# KiCad board PSEC5_Board.kicad_pcb
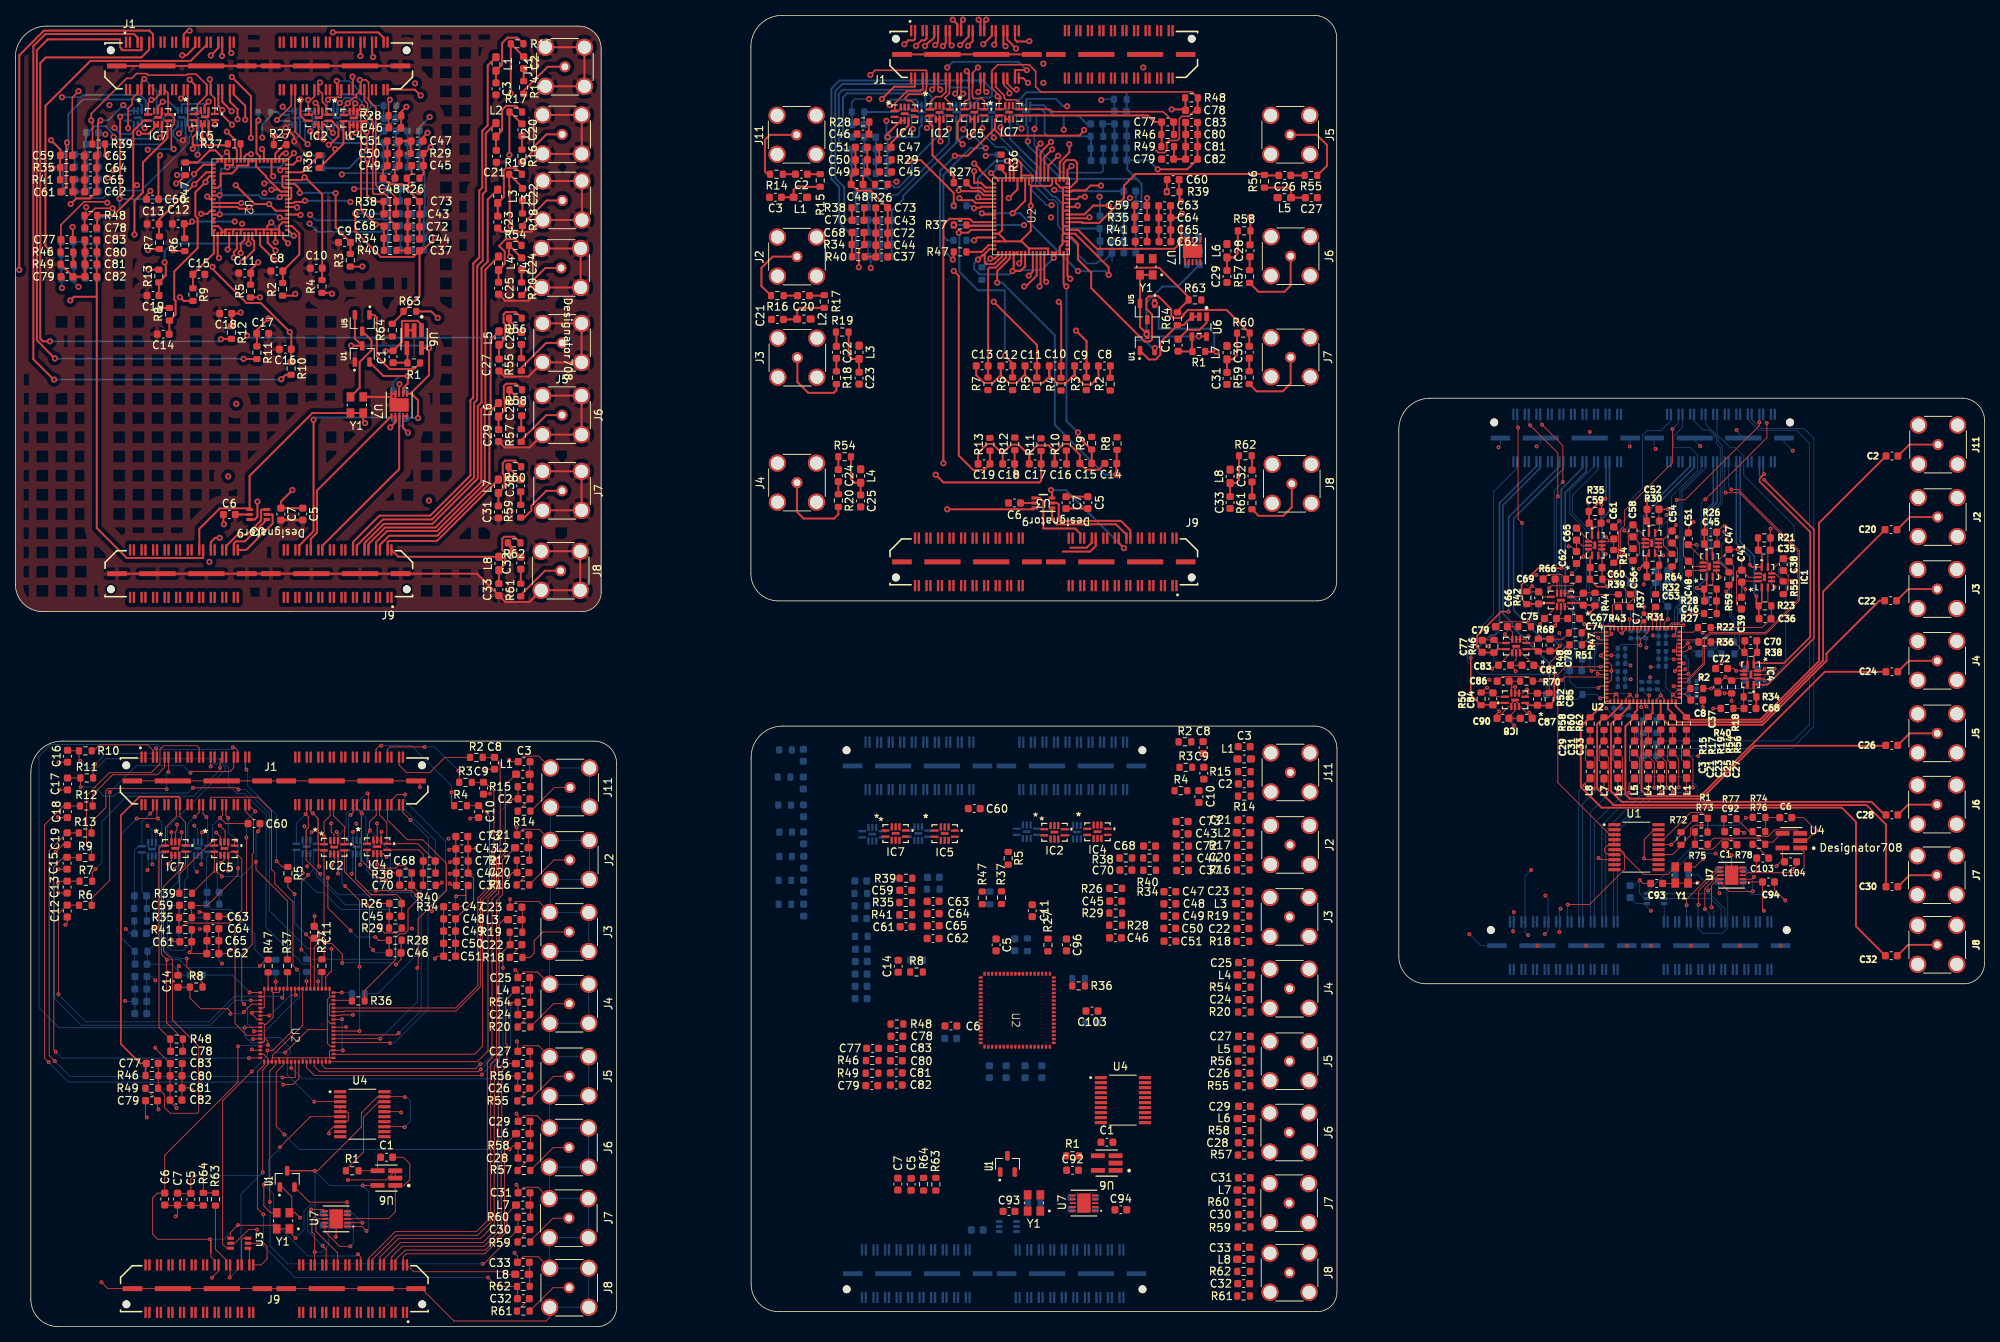
[diagram p0: board, top side]
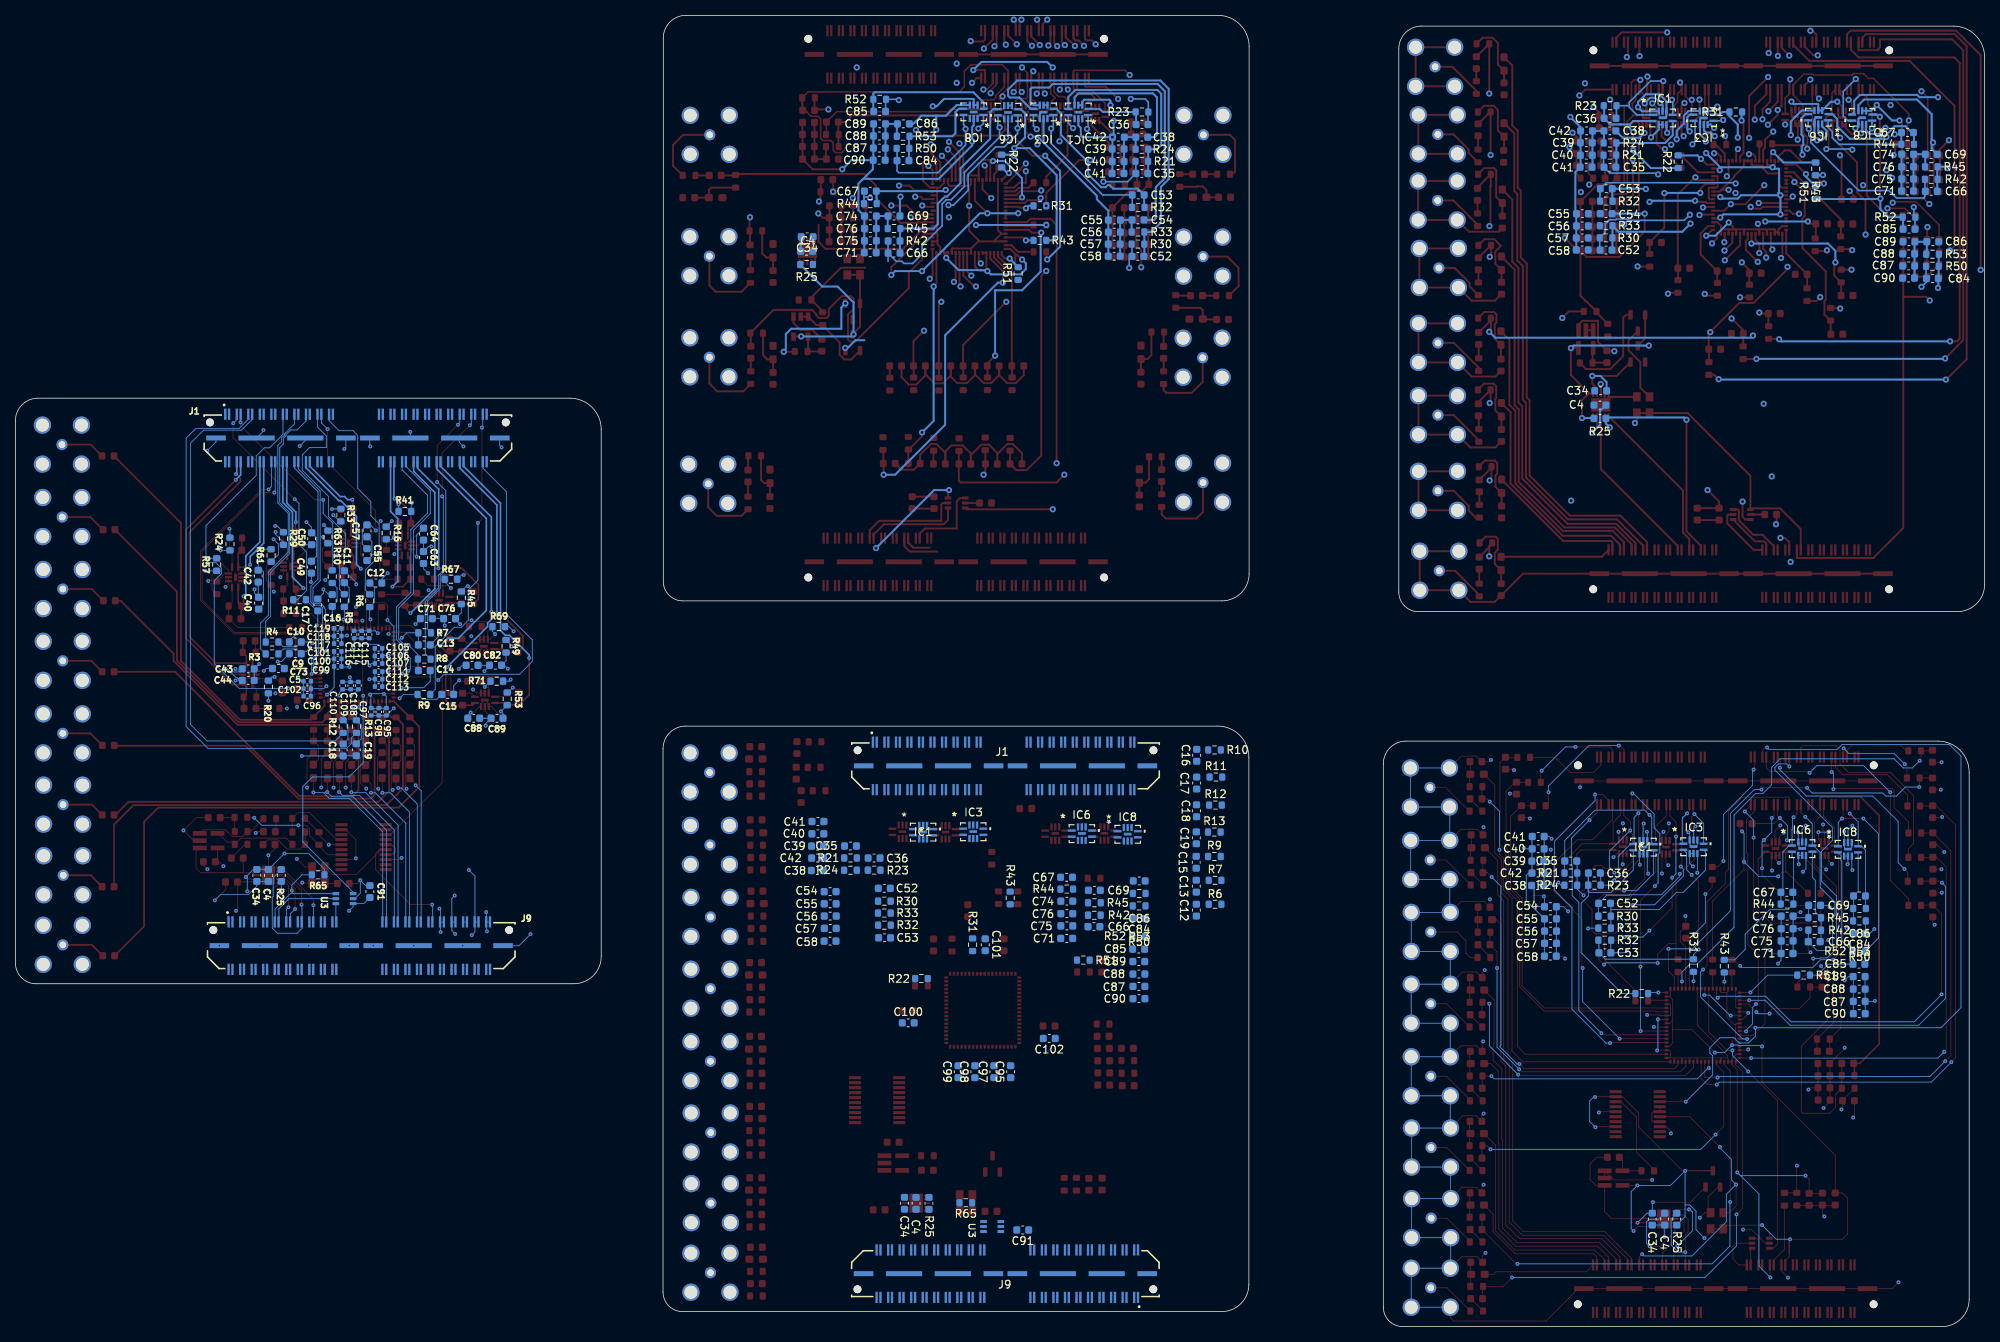
[diagram p1: board, bottom side, seen from below]

Outline 256.15 x 170.65 mm; copper layers: Top, In1.Cu, In2.Cu, Bottom. Coordinates in mm from the lower left corner of the outline.
Outline path: 0,165.19 arc(1.19,168.06) 4.06,169.25 73.25,169.25 arc(75.34,168.39) 76.2,166.3 76.2,95.59 arc(75.46,93.79) 73.66,93.05 3.56,93.05 arc(1.04,94.09) 0,96.61 0,165.19 ; 2.01,72.14 arc(3.2,75.01) 6.08,76.2 75.26,76.2 arc(77.35,75.34) 78.21,73.25 78.21,2.54 arc(77.47,0.74) 75.67,0 5.57,0 arc(3.05,1.04) 2.01,3.56 2.01,72.14 ; 95.67,166.58 arc(96.86,169.46) 99.74,170.65 168.92,170.65 arc(171.01,169.78) 171.87,167.7 171.87,96.99 arc(171.13,95.19) 169.33,94.45 99.23,94.45 arc(96.71,95.49) 95.67,98 95.67,166.58 ; 95.7,74.09 arc(96.89,76.96) 99.77,78.15 168.96,78.15 arc(171.04,77.29) 171.9,75.21 171.9,4.49 arc(171.16,2.7) 169.36,1.95 99.26,1.95 arc(96.75,3) 95.7,5.51 95.7,74.09 ; 179.95,116.76 arc(181.14,119.63) 184.01,120.82 253.2,120.82 arc(255.29,119.96) 256.15,117.88 256.14,47.31 arc(255.42,45.48) 253.64,44.62 183.5,44.62 arc(180.99,45.67) 179.95,48.18 179.95,116.76
Stack: Top 0.035mm / dielectric 0.1mm FR4 er 4.5 / In1.Cu 0.035mm / dielectric 1.24mm FR4 er 4.5 / In2.Cu 0.035mm / dielectric 0.1mm FR4 er 4.5 / Bottom 0.035mm

## Placement (name value [footprint] x y rotation side)
C1  C  [C_0603_1608Metric]  141.98 24 180 top
C1#2  C  [C_0603_1608Metric]  48.28 22.04 180 top
C1#3  C  [C_0603_1608Metric]  151.25 127.72 270 top
C1#4  C  [C_0603_1608Metric]  49.13 126.22 270 top
C1#5  C  [C_0603_1608Metric]  223.16 62.72 0 top
C2  100n  [C_0603_1608Metric]  102.24 149.97 180 top
C2#2  100n  [C_0603_1608Metric]  159.86 70.64 0 top
C2#3  100n  [C_0603_1608Metric]  66.11 164.5 270 top
C2#4  100n  [C_0603_1608Metric]  66.16 68.68 0 top
C2#5  100n  [C_0603_1608Metric]  244.1 113.31 0 top
C3  100n  [C_0603_1608Metric]  159.84 75.48 180 top
C3#2  100n  [C_0603_1608Metric]  62.51 161.08 270 top
C3#3  100n  [C_0603_1608Metric]  66.17 73.52 180 top
C3#4  100n  [C_0603_1608Metric]  98.86 146.97 180 top
C3#5  100n  [C_0603_1608Metric]  217.36 75.45 270 top
C4  0.1 uf  [C_0603_1608Metric]  50.04 119.92 180 bottom
C4#2  0.1 uf  [C_0603_1608Metric]  153.24 139.95 180 bottom
C4#3  0.1 uf  [C_0603_1608Metric]  139 16.04 90 bottom
C4#4  0.1 uf  [C_0603_1608Metric]  41.61 13.99 90 bottom
C4#5  0.1 uf  [C_0603_1608Metric]  223.24 58.71 90 bottom
C5  700n  [C_0603_1608Metric]  139.5 107.24 270 top
C5#2  400n  [C_0603_1608Metric]  127.57 49.68 270 top
C5#3  700n  [C_0603_1608Metric]  37.38 105.74 270 top
C5#4  700n  [C_0603_1608Metric]  22.82 16.57 270 top
C5#5  700n  [C_0603_1608Metric]  116.52 18.52 270 top
C5#6  330n  [C_0402_1005Metric]  218.19 84 180 bottom
C6  C  [C_0603_1608Metric]  230.29 66.25 0 top
C6#2  400n  [C_0603_1608Metric]  19.43 16.61 270 top
C6#3  400n  [C_0603_1608Metric]  121.69 39.13 180 top
C6#4  400n  [C_0603_1608Metric]  129.95 107.19 0 top
C6#5  400n  [C_0603_1608Metric]  27.83 105.69 0 top
C7  100n  [C_0603_1608Metric]  21.09 16.6 270 top
C7#2  100n  [C_0603_1608Metric]  114.79 18.55 270 top
C7#3  100n  [C_0603_1608Metric]  136.66 107.24 270 top
C7#4  100n  [C_0603_1608Metric]  34.54 105.74 270 top
C7#5  10p  [C_0402_1005Metric]  211.84 92.3 90 top
C8  C  [C_0603_1608Metric]  218.71 81.55 0 top
C8#2  C  [C_0603_1608Metric]  141.66 125.03 180 top
C8#3  C  [C_0603_1608Metric]  154.49 75.35 270 top
C8#4  C  [C_0603_1608Metric]  34.01 137.37 180 top
C8#5  C  [C_0603_1608Metric]  62.32 73.32 270 top
C9  C  [C_0603_1608Metric]  154.59 72.03 270 top
C9#2  C  [C_0603_1608Metric]  42.81 141.1 180 top
C9#3  C  [C_0603_1608Metric]  138.56 125.03 180 top
C9#4  C  [C_0603_1608Metric]  60.89 70.07 270 top
C9#5  C  [C_0603_1608Metric]  219.74 87.57 0 bottom
C10  C  [C_0603_1608Metric]  135.26 125.03 180 top
C10#2  C  [C_0603_1608Metric]  39.14 137.75 180 top
C10#3  C  [C_0603_1608Metric]  60.25 67.02 270 top
C10#4  C  [C_0603_1608Metric]  153.95 68.98 270 top
C10#5  C  [C_0603_1608Metric]  219.74 89.1 0 bottom
C11  C  [C_0603_1608Metric]  132.11 125.03 180 top
C11#2  C  [C_0603_1608Metric]  38.87 51.32 90 top
C11#3  C  [C_0603_1608Metric]  29.84 137.1 180 top
C11#4  C  [C_0603_1608Metric]  132.27 54.13 90 top
C11#5  C  [C_0603_1608Metric]  213.36 97.6 90 bottom
C12  C  [C_0603_1608Metric]  128.96 125.03 180 top
C12#2  C  [C_0603_1608Metric]  6.74 54.08 270 top
C12#3  C  [C_0603_1608Metric]  21.19 143.52 180 top
C12#4  C  [C_0603_1608Metric]  102.53 54.2 270 bottom
C12#5  C  [C_0603_1608Metric]  209.26 96.77 180 bottom
C13  C  [C_0603_1608Metric]  125.76 125.03 180 top
C13#2  C  [C_0603_1608Metric]  6.73 57.2 270 top
C13#3  C  [C_0603_1608Metric]  17.91 143.5 180 top
C13#4  C  [C_0603_1608Metric]  202.96 88.72 180 bottom
C13#5  C  [C_0603_1608Metric]  102.54 57.32 270 bottom
C14  C  [C_0603_1608Metric]  19.22 129.16 180 top
C14#2  C  [C_0603_1608Metric]  114.84 46.9 90 top
C14#3  C  [C_0603_1608Metric]  142.48 112.33 180 top
C14#4  C  [C_0603_1608Metric]  21.14 44.95 90 top
C14#5  C  [C_0603_1608Metric]  202.96 85.37 180 bottom
C15  C  [C_0603_1608Metric]  23.86 136.95 0 top
C15#2  C  [C_0603_1608Metric]  139.23 112.33 180 top
C15#3  C  [C_0603_1608Metric]  6.72 60.31 270 top
C15#4  C  [C_0603_1608Metric]  199.91 82.27 180 bottom
C15#5  C  [C_0603_1608Metric]  102.55 60.43 270 bottom
C16  C  [C_0603_1608Metric]  6.78 74.23 270 top
C16#2  C  [C_0603_1608Metric]  35.11 127.2 180 top
C16#3  C  [C_0603_1608Metric]  135.96 112.28 180 top
C16#4  C  [C_0603_1608Metric]  214.94 94.5 90 bottom
C16#5  C  [C_0603_1608Metric]  102.49 74.35 270 bottom
C17  C  [C_0603_1608Metric]  132.65 112.28 180 top
C17#2  C  [C_0603_1608Metric]  32.16 129.25 0 top
C17#3  C  [C_0603_1608Metric]  6.78 70.62 270 top
C17#4  C  [C_0603_1608Metric]  216.81 93.92 90 bottom
C17#5  C  [C_0603_1608Metric]  102.49 70.74 270 bottom
C18  C  [C_0603_1608Metric]  129.2 112.28 180 top
C18#2  C  [C_0603_1608Metric]  6.76 67.01 270 top
C18#3  C  [C_0603_1608Metric]  27.36 131.85 180 top
C18#4  C  [C_0603_1608Metric]  102.51 67.13 270 bottom
C18#5  C  [C_0603_1608Metric]  213.51 75.05 270 bottom
C19  C  [C_0603_1608Metric]  126 112.28 180 top
C19#2  C  [C_0603_1608Metric]  17.9 134.18 180 top
C19#3  C  [C_0603_1608Metric]  6.74 63.49 270 top
C19#4  C  [C_0603_1608Metric]  102.54 63.61 270 bottom
C19#5  C  [C_0603_1608Metric]  211.81 75.07 270 bottom
C20  100n  [C_0603_1608Metric]  159.73 61.05 0 top
C20#2  100n  [C_0603_1608Metric]  66.03 59.09 0 top
C20#3  100n  [C_0603_1608Metric]  65.89 155.75 270 top
C20#4  100n  [C_0603_1608Metric]  243.97 103.72 0 top
C20#5  100n  [C_0603_1608Metric]  102.52 134.17 180 top
C21  100n  [C_0603_1608Metric]  62.56 152.31 270 top
C21#2  100n  [C_0603_1608Metric]  99.13 131.07 180 top
C21#3  100n  [C_0603_1608Metric]  66.02 64 180 top
C21#4  100n  [C_0603_1608Metric]  159.79 65.95 180 top
C21#5  100n  [C_0603_1608Metric]  215.56 75.45 270 top
C22  100n  [C_0603_1608Metric]  243.93 94.48 0 top
C22#2  100n  [C_0603_1608Metric]  159.68 51.81 0 top
C22#3  100n  [C_0603_1608Metric]  65.96 147.35 270 top
C22#4  100n  [C_0603_1608Metric]  65.13 49.71 0 top
C22#5  100n  [C_0603_1608Metric]  106.8 126.79 270 top
C23  100n  [C_0603_1608Metric]  214.01 75.45 270 top
C23#2  100n  [C_0603_1608Metric]  62.74 143.74 270 top
C23#3  100n  [C_0603_1608Metric]  65.11 54.58 180 top
C23#4  100n  [C_0603_1608Metric]  159.69 56.68 180 top
C23#5  100n  [C_0603_1608Metric]  109.74 123.44 270 top
C24  100n  [C_0603_1608Metric]  159.84 42.55 0 top
C24#2  100n  [C_0603_1608Metric]  66.14 40.6 0 top
C24#3  100n  [C_0603_1608Metric]  244.08 85.22 0 top
C24#4  100n  [C_0603_1608Metric]  107.05 110.75 270 top
C24#5  100n  [C_0603_1608Metric]  65.85 138.31 270 top
C25  100n  [C_0603_1608Metric]  62.85 135.14 270 top
C25#2  100n  [C_0603_1608Metric]  109.95 107.45 270 top
C25#3  100n  [C_0603_1608Metric]  212.41 75.45 270 top
C25#4  100n  [C_0603_1608Metric]  159.87 47.38 180 top
C25#5  100n  [C_0603_1608Metric]  66.13 45.43 180 top
C26  100n  [C_0603_1608Metric]  244.06 75.65 0 top
C26#2  100n  [C_0603_1608Metric]  165.11 149.82 0 top
C26#3  100n  [C_0603_1608Metric]  65.81 128.6 270 top
C26#4  100n  [C_0603_1608Metric]  159.82 32.98 0 top
C26#5  100n  [C_0603_1608Metric]  66.12 31.02 0 top
C27  100n  [C_0603_1608Metric]  210.61 75.45 270 top
C27#2  100n  [C_0603_1608Metric]  159.87 37.78 180 top
C27#3  100n  [C_0603_1608Metric]  62.91 125.14 270 top
C27#4  100n  [C_0603_1608Metric]  66.13 35.82 180 top
C27#5  100n  [C_0603_1608Metric]  168.57 146.92 0 top
C28  100n  [C_0603_1608Metric]  159.84 23.93 0 top
C28#2  100n  [C_0603_1608Metric]  160.59 140.01 270 top
C28#3  100n  [C_0603_1608Metric]  66.15 21.93 0 top
C28#4  100n  [C_0603_1608Metric]  65.85 119.32 270 top
C28#5  100n  [C_0603_1608Metric]  244.09 66.6 0 top
C29  100n  [C_0603_1608Metric]  157.6 136.66 270 top
C29#2  100n  [C_0603_1608Metric]  208.44 75.47 270 top
C29#3  100n  [C_0603_1608Metric]  159.87 28.67 180 top
C29#4  100n  [C_0603_1608Metric]  62.85 115.97 270 top
C29#5  100n  [C_0603_1608Metric]  66.17 26.71 180 top
C30  100n  [C_0603_1608Metric]  160.49 126.81 270 top
C30#2  100n  [C_0603_1608Metric]  159.85 14.59 0 top
C30#3  100n  [C_0603_1608Metric]  65.73 109.42 270 top
C30#4  100n  [C_0603_1608Metric]  66.15 12.63 0 top
C30#5  100n  [C_0603_1608Metric]  244.09 57.26 0 top
C31  100n  [C_0603_1608Metric]  62.83 106.02 270 top
C31#2  100n  [C_0603_1608Metric]  66.16 17.41 180 top
C31#3  100n  [C_0603_1608Metric]  157.6 123.4 270 top
C31#4  100n  [C_0603_1608Metric]  206.64 75.45 270 top
C31#5  100n  [C_0603_1608Metric]  159.86 19.37 180 top
C32  100n  [C_0603_1608Metric]  159.77 5.6 0 top
C32#2  100n  [C_0603_1608Metric]  66.07 3.64 0 top
C32#3  100n  [C_0603_1608Metric]  160.85 110.7 270 top
C32#4  100n  [C_0603_1608Metric]  65.74 99.37 270 top
C32#5  100n  [C_0603_1608Metric]  244.01 48.27 0 top
C33  100n  [C_0603_1608Metric]  158 107.25 270 top
C33#2  100n  [C_0603_1608Metric]  66.07 8.37 180 top
C33#3  100n  [C_0603_1608Metric]  62.89 95.91 270 top
C33#4  100n  [C_0603_1608Metric]  204.84 75.45 270 top
C33#5  100n  [C_0603_1608Metric]  159.77 10.33 180 top
C34  C  [C_0603_1608Metric]  153.16 141.83 0 bottom
C34#2  C  [C_0603_1608Metric]  140.5 16.05 270 bottom
C34#3  C  [C_0603_1608Metric]  224.74 58.72 270 bottom
C34#4  C  [C_0603_1608Metric]  43.23 13.99 270 bottom
C34#5  C  [C_0603_1608Metric]  49.95 121.79 0 bottom
C35  1.3pF  [C_0603_1608Metric]  227.48 101.05 0 top
C35#2  1.3pF  [C_0603_1608Metric]  109.63 150.07 180 bottom
C35#3  1.3pF  [C_0603_1608Metric]  147.53 62.55 180 bottom
C35#4  1.3pF  [C_0603_1608Metric]  48.74 150.88 180 bottom
C35#5  1.3pF  [C_0603_1608Metric]  53.83 60.59 180 bottom
C36  1.3pF  [C_0603_1608Metric]  227.58 92.12 180 top
C36#2  1.3pF  [C_0603_1608Metric]  144.46 60.98 180 bottom
C36#3  1.3pF  [C_0603_1608Metric]  109.6 156.44 180 bottom
C36#4  1.3pF  [C_0603_1608Metric]  48.72 157.25 180 bottom
C36#5  1.3pF  [C_0603_1608Metric]  50.76 59.02 180 bottom
C37  0.1u  [C_0603_1608Metric]  151.82 59.37 180 top
C37#2  0.1u  [C_0603_1608Metric]  221.44 83.25 270 top
C37#3  0.1u  [C_0603_1608Metric]  51.8 140.02 180 top
C37#4  0.1u  [C_0603_1608Metric]  58.12 57.41 180 top
C37#5  0.1u  [C_0603_1608Metric]  112.69 139.2 180 top
C38  0.1u  [C_0603_1608Metric]  229.96 99.17 270 top
C38#2  0.1u  [C_0603_1608Metric]  109.63 154.8 0 bottom
C38#3  0.1u  [C_0603_1608Metric]  48.74 155.61 0 bottom
C38#4  0.1u  [C_0603_1608Metric]  58.15 57.4 180 bottom
C38#5  0.1u  [C_0603_1608Metric]  151.85 59.36 180 bottom
C39  1000pF  [C_0603_1608Metric]  224.51 94.15 270 top
C39#2  1000pF  [C_0603_1608Metric]  58.12 60.58 0 bottom
C39#3  1000pF  [C_0603_1608Metric]  112.71 153.26 0 bottom
C39#4  1000pF  [C_0603_1608Metric]  151.81 62.54 0 bottom
C39#5  1000pF  [C_0603_1608Metric]  51.81 154.07 0 bottom
C40  0.1uF  [C_0603_1608Metric]  51.81 152.44 0 bottom
C40#2  0.1uF  [C_0603_1608Metric]  151.77 64.14 0 bottom
C40#3  0.1uF  [C_0603_1608Metric]  224.51 94.15 270 bottom
C40#4  0.1uF  [C_0603_1608Metric]  58.07 62.18 0 bottom
C40#5  0.1uF  [C_0603_1608Metric]  112.71 151.62 0 bottom
C41  0.1uF  [C_0603_1608Metric]  224.56 97.67 90 top
C41#2  0.1uF  [C_0603_1608Metric]  151.76 65.74 0 bottom
C41#3  0.1uF  [C_0603_1608Metric]  58.06 63.78 0 bottom
C41#4  0.1uF  [C_0603_1608Metric]  51.84 150.89 0 bottom
C41#5  0.1uF  [C_0603_1608Metric]  112.73 150.07 0 bottom
C42  1000pF  [C_0603_1608Metric]  58.1 59.02 0 bottom
C42#2  1000pF  [C_0603_1608Metric]  224.56 97.67 90 bottom
C42#3  1000pF  [C_0603_1608Metric]  51.78 155.61 0 bottom
C42#4  1000pF  [C_0603_1608Metric]  151.8 60.98 0 bottom
C42#5  1000pF  [C_0603_1608Metric]  112.68 154.8 0 bottom
C43  0.1uF  [C_0603_1608Metric]  112.74 143.93 0 top
C43#2  0.1uF  [C_0603_1608Metric]  151.77 64.14 0 top
C43#3  0.1uF  [C_0603_1608Metric]  51.85 144.74 0 top
C43#4  0.1uF  [C_0603_1608Metric]  58.07 62.18 0 top
C43#5  0.1uF  [C_0603_1608Metric]  225.86 85.6 0 bottom
C44  1000pF  [C_0603_1608Metric]  58.11 59.02 0 top
C44#2  1000pF  [C_0603_1608Metric]  151.81 60.98 0 top
C44#3  1000pF  [C_0603_1608Metric]  112.69 140.73 0 top
C44#4  1000pF  [C_0603_1608Metric]  51.8 141.54 0 top
C44#5  1000pF  [C_0603_1608Metric]  225.86 84.1 0 bottom
C45  1.3pF  [C_0603_1608Metric]  52.31 151.09 0 top
C45#2  1.3pF  [C_0603_1608Metric]  220.51 103.39 0 top
C45#3  1.3pF  [C_0603_1608Metric]  113.2 150.28 0 top
C45#4  1.3pF  [C_0603_1608Metric]  143.13 55.37 180 top
C45#5  1.3pF  [C_0603_1608Metric]  49.43 53.41 180 top
C46  1.3pF  [C_0603_1608Metric]  49.39 48.64 180 top
C46#2  1.3pF  [C_0603_1608Metric]  220.49 94.44 180 top
C46#3  1.3pF  [C_0603_1608Metric]  110.25 155.2 180 top
C46#4  1.3pF  [C_0603_1608Metric]  143.09 50.6 180 top
C46#5  1.3pF  [C_0603_1608Metric]  49.36 156.02 180 top
C47  0.1u  [C_0603_1608Metric]  150.17 56.61 180 top
C47#2  0.1u  [C_0603_1608Metric]  52.26 154.29 180 top
C47#3  0.1u  [C_0603_1608Metric]  56.48 54.65 180 top
C47#4  0.1u  [C_0603_1608Metric]  113.15 153.48 180 top
C47#5  0.1u  [C_0603_1608Metric]  222.89 100.36 270 top
C48  1000pF  [C_0603_1608Metric]  150.17 55.03 0 top
C48#2  1000pF  [C_0603_1608Metric]  109.49 148.65 180 top
C48#3  1000pF  [C_0603_1608Metric]  48.6 149.46 180 top
C48#4  1000pF  [C_0603_1608Metric]  217.64 98.84 90 top
C48#5  1000pF  [C_0603_1608Metric]  56.48 53.07 0 top
C49  0.1uF  [C_0603_1608Metric]  56.47 51.47 0 top
C49#2  0.1uF  [C_0603_1608Metric]  49.16 151.09 180 top
C49#3  0.1uF  [C_0603_1608Metric]  110.05 150.28 180 top
C49#4  0.1uF  [C_0603_1608Metric]  150.16 53.43 0 top
C49#5  0.1uF  [C_0603_1608Metric]  217.64 98.84 90 bottom
C50  0.1uF  [C_0603_1608Metric]  56.47 49.87 0 top
C50#2  0.1uF  [C_0603_1608Metric]  150.16 51.83 0 top
C50#3  0.1uF  [C_0603_1608Metric]  110.05 151.85 180 top
C50#4  0.1uF  [C_0603_1608Metric]  49.16 152.67 180 top
C50#5  0.1uF  [C_0603_1608Metric]  217.61 102.54 90 bottom
C51  1000pF  [C_0603_1608Metric]  110.03 153.48 180 top
C51#2  1000pF  [C_0603_1608Metric]  150.18 50.16 0 top
C51#3  1000pF  [C_0603_1608Metric]  49.14 154.29 180 top
C51#4  1000pF  [C_0603_1608Metric]  56.49 48.2 0 top
C51#5  1000pF  [C_0603_1608Metric]  217.61 102.54 90 top
C52  1.3pF  [C_0603_1608Metric]  213.01 106.36 0 top
C52#2  1.3pF  [C_0603_1608Metric]  49.25 140.1 180 bottom
C52#3  1.3pF  [C_0603_1608Metric]  143.13 57.04 180 bottom
C52#4  1.3pF  [C_0603_1608Metric]  49.43 55.08 180 bottom
C52#5  1.3pF  [C_0603_1608Metric]  110.14 139.28 180 bottom
C53  1.3pF  [C_0603_1608Metric]  212.99 97.56 180 top
C53#2  1.3pF  [C_0603_1608Metric]  49.39 48.65 180 bottom
C53#3  1.3pF  [C_0603_1608Metric]  110.1 147.28 0 bottom
C53#4  1.3pF  [C_0603_1608Metric]  143.09 50.61 180 bottom
C53#5  1.3pF  [C_0603_1608Metric]  49.21 148.09 0 bottom
C54  0.1u  [C_0603_1608Metric]  215.49 102.76 270 top
C54#2  0.1u  [C_0603_1608Metric]  150.18 56.61 180 bottom
C54#3  0.1u  [C_0603_1608Metric]  110.12 144.03 0 bottom
C54#4  0.1u  [C_0603_1608Metric]  49.24 144.84 0 bottom
C54#5  0.1u  [C_0603_1608Metric]  56.48 54.65 180 bottom
C55  1000pF  [C_0603_1608Metric]  113.2 144.01 0 bottom
C55#2  1000pF  [C_0603_1608Metric]  52.32 144.83 0 bottom
C55#3  1000pF  [C_0603_1608Metric]  150.17 55.03 0 bottom
C55#4  1000pF  [C_0603_1608Metric]  210.41 100.46 270 bottom
C55#5  1000pF  [C_0603_1608Metric]  56.47 53.07 0 bottom
C56  0.1uF  [C_0603_1608Metric]  210.41 100.46 270 top
C56#2  0.1uF  [C_0603_1608Metric]  113.2 142.44 0 bottom
C56#3  0.1uF  [C_0603_1608Metric]  56.46 51.47 0 bottom
C56#4  0.1uF  [C_0603_1608Metric]  52.33 143.24 0 bottom
C56#5  0.1uF  [C_0603_1608Metric]  150.16 53.43 0 bottom
C57  0.1uF  [C_0603_1608Metric]  210.41 103.56 270 bottom
C57#2  0.1uF  [C_0603_1608Metric]  113.22 140.88 0 bottom
C57#3  0.1uF  [C_0603_1608Metric]  150.16 51.83 0 bottom
C57#4  0.1uF  [C_0603_1608Metric]  52.34 141.68 0 bottom
C57#5  0.1uF  [C_0603_1608Metric]  56.46 49.87 0 bottom
C58  1000pF  [C_0603_1608Metric]  210.41 103.56 270 top
C58#2  1000pF  [C_0603_1608Metric]  56.49 48.21 0 bottom
C58#3  1000pF  [C_0603_1608Metric]  113.22 139.3 0 bottom
C58#4  1000pF  [C_0603_1608Metric]  150.19 50.17 0 bottom
C58#5  1000pF  [C_0603_1608Metric]  52.34 140.12 0 bottom
C59  1.3pF  [C_0603_1608Metric]  6.63 152.41 180 top
C59#2  1.3pF  [C_0603_1608Metric]  146.39 145.92 180 top
C59#3  1.3pF  [C_0603_1608Metric]  205.49 104.56 0 top
C59#4  1.3pF  [C_0603_1608Metric]  22.12 54.82 180 top
C59#5  1.3pF  [C_0603_1608Metric]  115.81 56.78 180 top
C60  1.3pF  [C_0603_1608Metric]  205.61 98.79 180 top
C60#2  1.3pF  [C_0603_1608Metric]  31.03 65.46 180 top
C60#3  1.3pF  [C_0603_1608Metric]  150.6 149.27 180 top
C60#4  1.3pF  [C_0603_1608Metric]  17.84 146.72 180 top
C60#5  1.3pF  [C_0603_1608Metric]  124.73 67.42 180 top
C61  0.1u  [C_0603_1608Metric]  22.17 50.1 0 top
C61#2  0.1u  [C_0603_1608Metric]  115.86 52.05 0 top
C61#3  0.1u  [C_0603_1608Metric]  6.68 147.68 0 top
C61#4  0.1u  [C_0603_1608Metric]  146.44 141.19 0 top
C61#5  0.1u  [C_0603_1608Metric]  207.91 103.29 90 top
C62  1000pF  [C_0603_1608Metric]  119.37 50.5 0 top
C62#2  1000pF  [C_0603_1608Metric]  149.54 141.19 0 top
C62#3  1000pF  [C_0603_1608Metric]  203.06 100.09 90 top
C62#4  1000pF  [C_0603_1608Metric]  9.78 147.68 0 top
C62#5  1000pF  [C_0603_1608Metric]  25.67 48.55 0 top
C63  0.1uF  [C_0603_1608Metric]  25.69 53.39 0 top
C63#2  0.1uF  [C_0603_1608Metric]  119.38 55.34 0 top
C63#3  0.1uF  [C_0603_1608Metric]  149.48 145.87 0 top
C63#4  0.1uF  [C_0603_1608Metric]  9.73 152.36 0 top
C63#5  0.1uF  [C_0603_1608Metric]  203.06 100.09 90 bottom
C64  0.1uF  [C_0603_1608Metric]  149.52 144.31 0 top
C64#2  0.1uF  [C_0603_1608Metric]  25.7 51.8 0 top
C64#3  0.1uF  [C_0603_1608Metric]  119.39 53.75 0 top
C64#4  0.1uF  [C_0603_1608Metric]  9.76 150.8 0 top
C64#5  0.1uF  [C_0603_1608Metric]  203.06 103.14 270 bottom
C65  1000pF  [C_0603_1608Metric]  149.52 142.73 0 top
C65#2  1000pF  [C_0603_1608Metric]  25.7 50.23 0 top
C65#3  1000pF  [C_0603_1608Metric]  119.39 52.18 0 top
C65#4  1000pF  [C_0603_1608Metric]  9.76 149.22 0 top
C65#5  1000pF  [C_0603_1608Metric]  203.06 103.14 270 top
C66  1.3pF  [C_0603_1608Metric]  198.14 94.85 90 top
C66#2  1.3pF  [C_0603_1608Metric]  141.86 139.71 180 bottom
C66#3  1.3pF  [C_0603_1608Metric]  115.86 52.05 180 bottom
C66#4  1.3pF  [C_0603_1608Metric]  22.16 50.1 180 bottom
C66#5  1.3pF  [C_0603_1608Metric]  6.94 147.74 180 bottom
C67  1.3pF  [C_0603_1608Metric]  203.94 94.67 270 top
C67#2  1.3pF  [C_0603_1608Metric]  10.03 155.4 0 bottom
C67#3  1.3pF  [C_0603_1608Metric]  25.72 56.52 0 bottom
C67#4  1.3pF  [C_0603_1608Metric]  119.42 58.48 0 bottom
C67#5  1.3pF  [C_0603_1608Metric]  144.94 147.77 0 bottom
C68  1.3pF  [C_0603_1608Metric]  109.6 142.39 180 top